# KiCad board Lime_RFE.kicad_pcb
title: LMS8001_SPBoard; rev: 1v0; company: Lime Microsystems
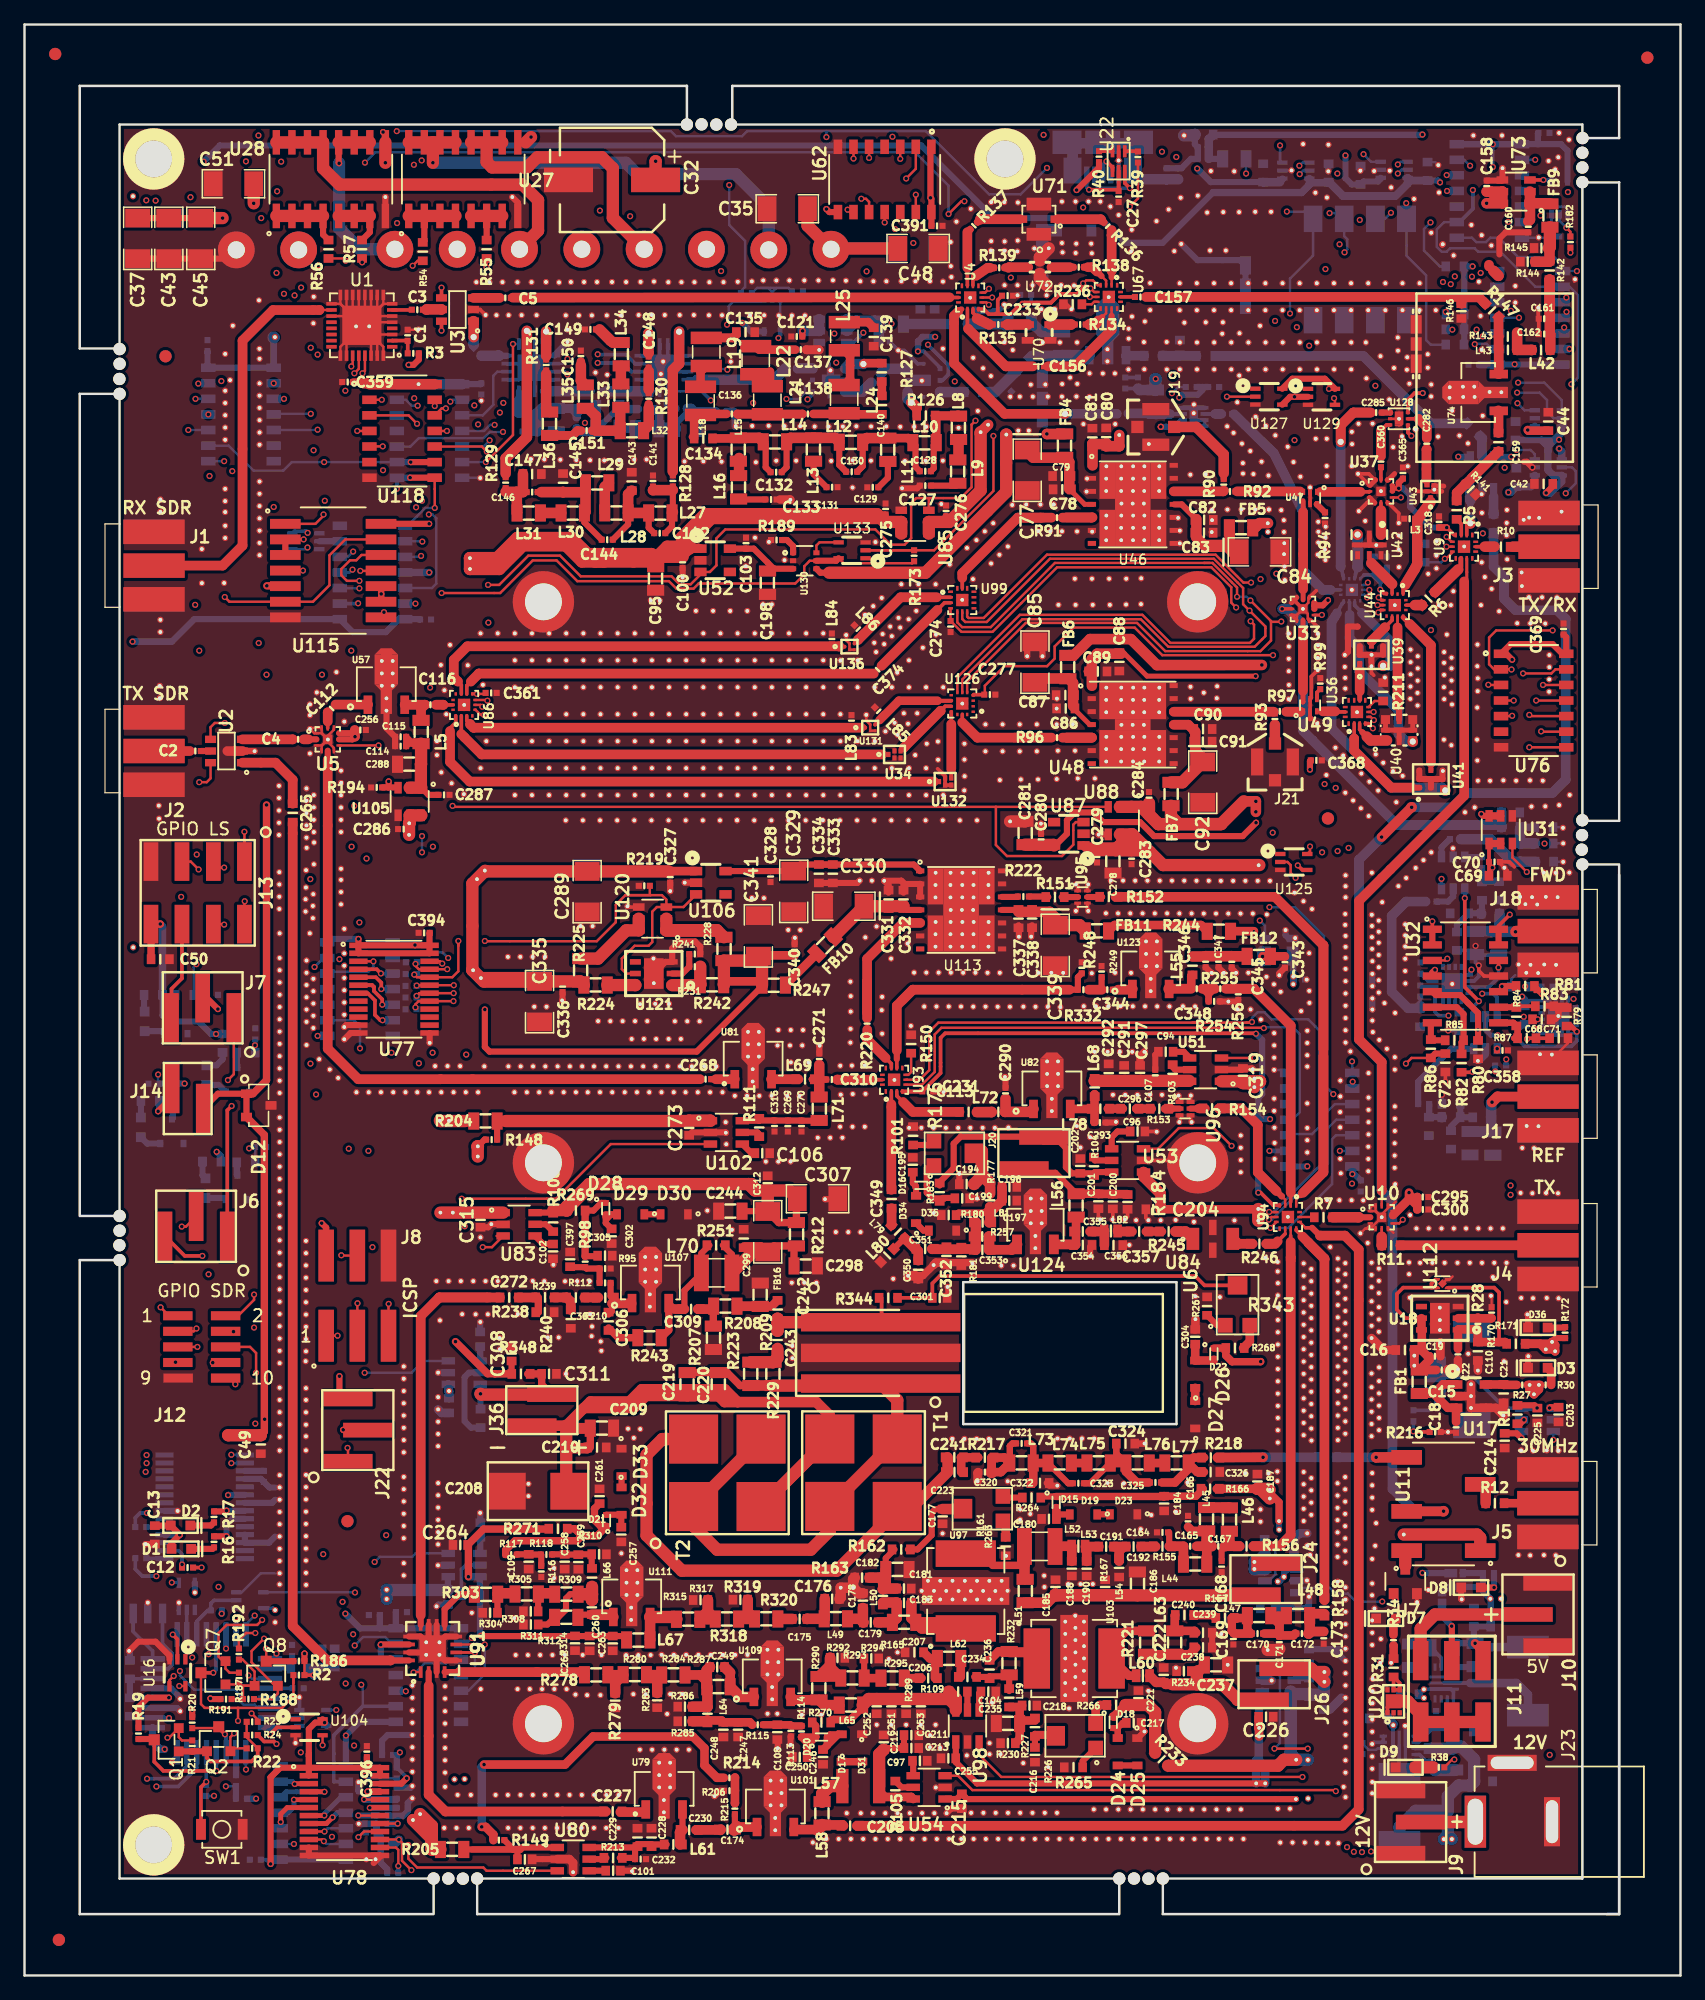
[diagram p0: board, top side]
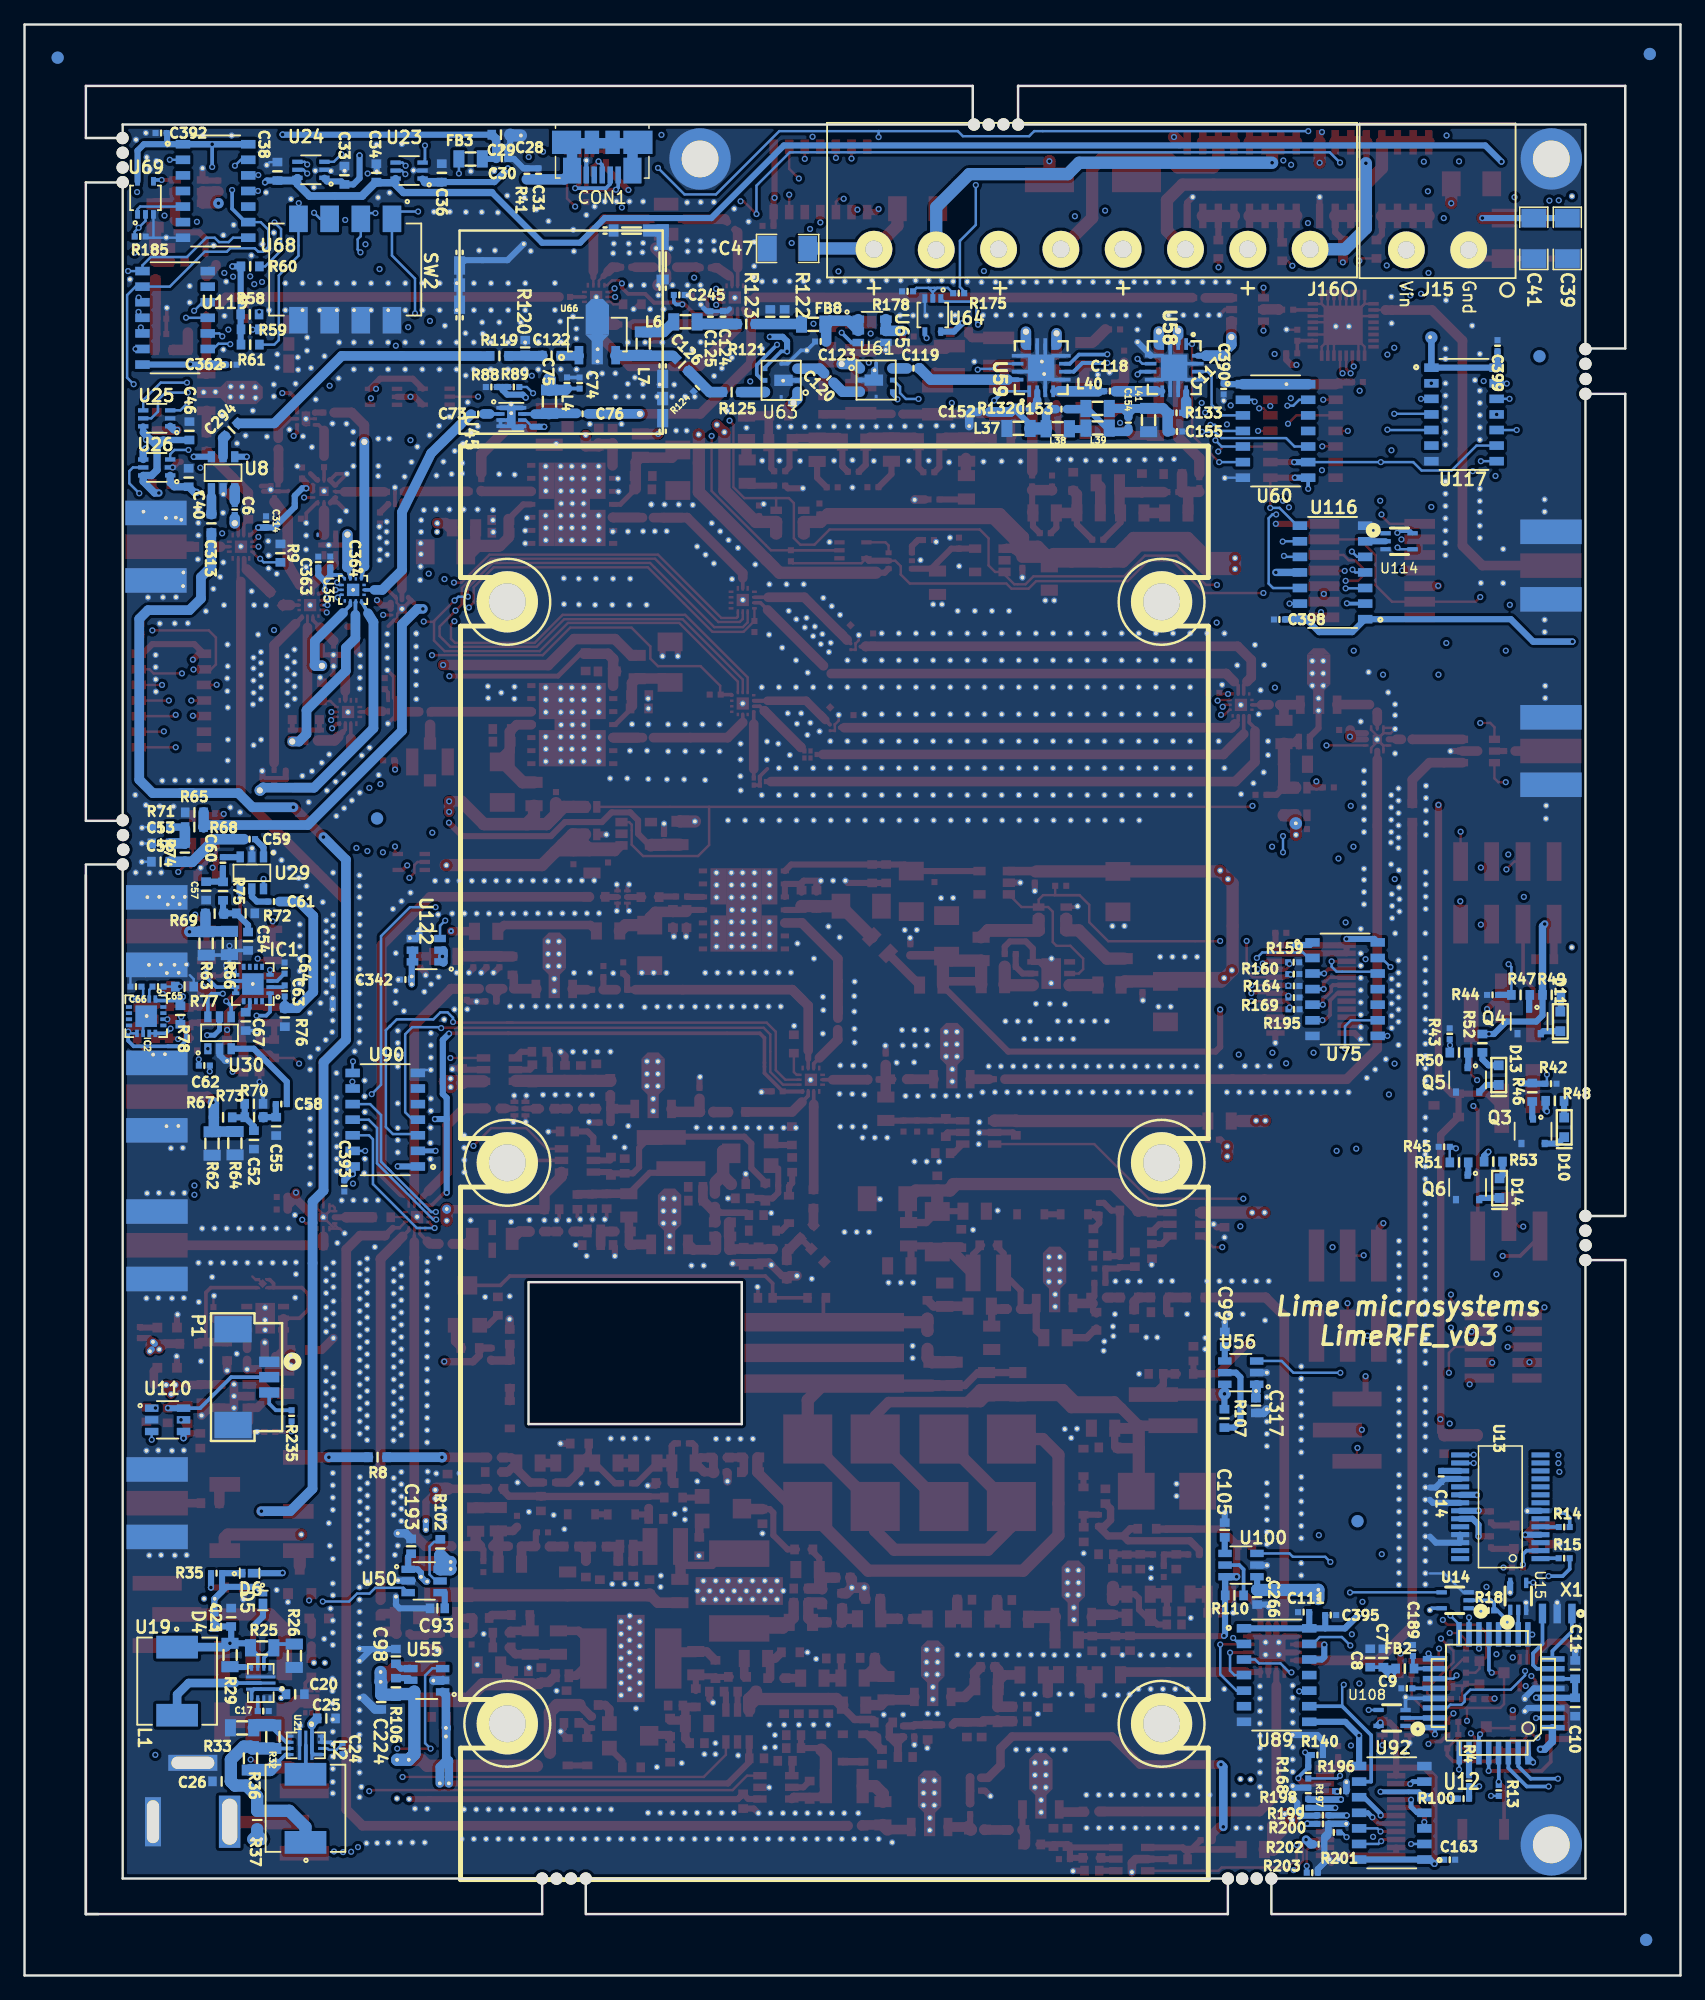
[diagram p1: board, bottom side, seen from below]

Outline 135 x 159 mm; copper layers: T, GND, SIG1, SIG2, PWR, B. Coordinates in mm from the lower left corner of the outline.
Outline path: 54,154 4.5,154 4.5,132.6 7.8,132.6 ; 54,154 54,153.9 ; 54,154 54,150.8 ; 7.7,128.9 4.5,128.9 4.5,61.9 ; 4.55,61.9 7.75,61.9 ; 7.7,61.7 7.7,61.8 ; 7.75,132.3 7.75,150.85 54.1,150.85 ; 7.75,129.05 7.75,61.7 ; 7.75,58.4 7.75,7.9 33.5,7.9 ; 7.8,58.3 4.5,58.3 4.5,5 33.3,5 ; 33.35,8 33.35,5 ; 36.7,7.9 89.4,7.9 ; 36.9,7.9 36.9,5 89.2,5 ; 57.4,150.8 57.4,150.9 57.4,150.85 127,150.85 127,149.7 ; 57.7,150.9 57.7,154 130,154 130,149.75 127,149.75 ; 76.53,56.5 93.91,56.5 93.91,44.94 76.53,44.94 ; 76.53,44.94 76.53,56.5 ; 89.25,5 89.25,7.9 ; 92.7,7.9 127,7.9 127,90.75 126.95,90.75 ; 92.8,7.9 92.8,5 130,5 ; 127,146.13 130,146.13 ; 127,94 127,146.45 ; 127,90.55 130,90.55 ; 129,5 130,5 ; 130,5 130,90.5 ; 130,5 130,89.7 ; 130,94.1 127,94.1 ; 130,146.13 130,94.1 ; 0,159 135,159 135,0 0,0 0,159

## Placement (name value [footprint] x y rotation side)
BreakHole  VAL**  [BreakHole]  7.75 128.9 90 top
BreakHole#2  VAL**  [BreakHole]  7.73 130.11 90 top
BreakHole#3  VAL**  [BreakHole]  7.75 132.55 90 top
BreakHole#4  VAL**  [BreakHole]  7.75 131.35 90 top
BreakHole#5  VAL**  [BreakHole]  7.75 58.3 90 top
BreakHole#6  VAL**  [BreakHole]  7.73 59.51 90 top
BreakHole#7  VAL**  [BreakHole]  7.75 61.9 90 top
BreakHole#8  VAL**  [BreakHole]  7.75 60.7 90 top
BreakHole#9  VAL**  [BreakHole]  92.8 7.9 180 top
BreakHole#10  VAL**  [BreakHole]  91.63 7.89 180 top
BreakHole#11  VAL**  [BreakHole]  89.25 7.9 180 top
BreakHole#12  VAL**  [BreakHole]  90.45 7.9 180 top
BreakHole#13  VAL**  [BreakHole]  36.9 7.9 180 top
BreakHole#14  VAL**  [BreakHole]  35.74 7.89 180 top
BreakHole#15  VAL**  [BreakHole]  33.35 7.9 180 top
BreakHole#16  VAL**  [BreakHole]  34.55 7.9 180 top
BreakHole#17  VAL**  [BreakHole]  126.97 92.94 90 top
BreakHole#18  VAL**  [BreakHole]  127 94.15 90 top
BreakHole#19  VAL**  [BreakHole]  126.95 91.75 90 top
BreakHole#20  VAL**  [BreakHole]  127 90.55 90 top
BreakHole#21  VAL**  [BreakHole]  127 148.55 90 top
BreakHole#22  VAL**  [BreakHole]  127.01 149.75 90 top
BreakHole#23  VAL**  [BreakHole]  127 147.35 90 top
BreakHole#24  VAL**  [BreakHole]  127 146.15 90 top
BreakHole#25  VAL**  [BreakHole]  57.6 150.85 180 top
BreakHole#26  VAL**  [BreakHole]  56.4 150.85 180 top
BreakHole#27  VAL**  [BreakHole]  54 150.85 180 top
BreakHole#28  VAL**  [BreakHole]  55.19 150.87 180 top
C1  GCM155R71H473KE02D  [SMD0402]  31.23 133.68 90 top
C2  GCM155R71H473KE02D  [SMD0402]  13.92 99.79 180 top
C3  GCM155R71H473KE02D  [SMD0402]  32.02 135.76 180 top
C4  GCM155R71H473KE02D  [SMD0402]  22.31 100.74 180 top
C5  GCM155R71H473KE02D  [SMD0402]  39.19 136.72 180 top
C6  GCM155R71H473KE02D  [SMD0402]  117.86 119.47 90 bottom
C7  1UF_0603  [SMD0603]  24.22 25.87 90 bottom
C8  4.7UF_0603  [SMD0603]  25.29 25.88 90 bottom
C9  100NF_0402  [SMD0402]  22.31 23.4 180 bottom
C10  1UF_0603  [SMD0603]  8.59 21.88 270 bottom
C11  1UF_0603  [SMD0603]  8.59 24.93 90 bottom
C12  100NF_0402  [SMD0402]  13.29 33.24 180 top
C13  1UF_0603  [SMD0603]  10.62 35.91 270 top
C14  100NF_0402  [SMD0402]  19.51 40.67 270 bottom
C15  1uF_0402  [SMD0402]  115.54 49.35 0 top
C16  10uF_0603_GRM188R61E106KA73J  [SMD0603]  112.54 50.97 180 top
C17  2.2nF_0402  [SMD0402]  115.54 21.55 180 bottom
C18  1uF_0402  [SMD0402]  116.71 44.67 270 top
C19  0.1uF_0402_Murata  [SMD0402]  114.98 50.47 0 top
C20  10uF_0603_GRM188R61E106KA73J  [SMD0603]  112.93 22.92 0 bottom
C21  10uF_0603_GRM188R61E106KA73J  [SMD0603]  120.58 47.43 90 top
C22  0.1uF_0402_Murata  [SMD0402]  116.86 50.62 270 top
C23  10uF_0603_GRM188R61E106KA73J  [SMD0603]  118.15 29.19 270 bottom
C24  2.2nF_0402  [SMD0402]  109.08 18.49 270 bottom
C25  10uF_0603_GRM188R61E106KA73J  [SMD0603]  110.39 20.95 0 bottom
C26  10uF_0603_GRM188R61E106KA73J  [SMD0603]  118.93 15.82 180 bottom
C27  100NF_0402  [SMD0402]  89.2 144.98 270 top
C28  100NF_0402  [SMD0402]  96.09 149 180 bottom
C29  10uF_0603_GRM188R61E106KA73J  [SMD0603]  96.16 150.02 180 bottom
C30  1UF_0402  [SMD0402]  96.09 148.05 180 bottom
C31  3.9NF_0402  [SMD0402]  93.1 146.83 90 bottom
C32  100uF_25V_Electrolytic_Panasonic  [EEE-HC1E101P]  47.9 146.34 90 top
C33  1uF_0603  [SMD0603]  108.92 146.72 90 bottom
C34  1uF_0603  [SMD0603]  106.32 146.91 90 bottom
C35  C1206C104K5RAC7800  [SMD1206]  62.18 143.99 180 top
C36  1uF_0603  [SMD0603]  100.98 146.91 90 bottom
C37  C1206C104K5RAC7800  [SMD1206]  9.23 141.57 270 top
C38  1uF_0603  [SMD0603]  114.38 147.04 90 bottom
C39  C1206C104K5RAC7800  [SMD1206]  9.23 141.57 270 bottom
C40  1uF_0603  [SMD0603]  121.62 122.08 90 bottom
C41  C1206C104K5RAC7800  [SMD1206]  11.96 141.57 270 bottom
C42  1uF_0603  [SMD0603]  123.84 121.56 180 top
C43  C1206C104K5RAC7800  [SMD1206]  11.77 141.57 270 top
C44  1uF_0603  [SMD0603]  124.22 126.65 90 top
C45  C1206C104K5RAC7800  [SMD1206]  14.37 141.57 270 top
C46  1uF_0603  [SMD0603]  121.56 125.89 90 bottom
C47  C1206C104K5RAC7800  [SMD1206]  72.79 140.75 0 bottom
C48  C1206C104K5RAC7800  [SMD1206]  72.85 140.75 0 top
C49  1uF_0603  [SMD0603]  19.26 43.28 270 top
C50  1uF_0603  [SMD0603]  11.07 82.82 0 top
C51  C1206C104K5RAC7800  [SMD1206]  17.04 146.02 180 top
C52  NF_0603  [SMD0603]  116.3 68.1 270 bottom
C53  NF_0603  [SMD0603]  123.88 92.26 0 bottom
C54  NF_0603  [SMD0603]  116.78 84.29 270 bottom
C55  NF_0603  [SMD0603]  114.49 69.2 270 bottom
C56  NF_0603  [SMD0603]  123.9 90.77 0 bottom
C57  NF_0603  [SMD0603]  120.2 88.4 270 bottom
C58  1uF_0402_Murata  [SMD0402]  114.07 71.02 180 bottom
C59  47nF_0402_Murata  [SMD0402]  116.66 92.61 180 bottom
C60  1uF_0402_Murata  [SMD0402]  118.83 90.69 90 bottom
C61  47nF_0402_Murata  [SMD0402]  114.67 87.52 180 bottom
C62  47nF_0402_Murata  [SMD0402]  120.34 74.16 180 bottom
C63  47nF_0402_Murata  [SMD0402]  113.79 80.24 90 bottom
C64  47nF_0402_Murata  [SMD0402]  113.8 82.1 270 bottom
C65  47nF_0402_Murata  [SMD0402]  124.12 80.59 0 bottom
C66  47nF_0402_Murata  [SMD0402]  125.92 80.59 180 bottom
C67  1nF_0603_Murata  [SMD0603]  116.97 77.76 90 bottom
C68  1nF_0603_Murata  [SMD0603]  123.69 77.93 180 top
C69  10uF_0603_GRM188R61E106KA73J  [SMD0603]  120.14 89.62 0 top
C70  0.1uF_0402_Murata  [SMD0402]  119.84 90.75 0 top
C71  NF_0603  [SMD0603]  125.08 76.39 0 top
C72  NF_0603  [SMD0603]  115.84 74.38 270 top
C73  0.1uF_0402_Murata  [SMD0402]  98.01 127.26 180 bottom
C74  1uF_0402_Murata  [SMD0402]  89.74 129.78 90 bottom
C75  0.1uF_0402_Murata  [SMD0402]  90.77 129.79 90 bottom
C76  0.1uF_0402_Murata  [SMD0402]  89.5 127.27 180 bottom
C77  10uF_1206_Tantalum_Kemet  [SMD1206_TANTAL]  81.74 122.67 270 top
C78  0.1uF_0603_Murata  [SMD0603]  84.6 121.11 180 top
C79  1nF_0603_Murata_GCJ  [SMD0603]  84.56 122.2 180 top
C80  0.01uF_0603_Murata  [SMD0603]  88.18 125.37 90 top
C81  100pF_0603_Murata_GCM  [SMD0603]  87.05 125.35 90 top
C82  1nF_0603_Murata_GCJ  [SMD0603]  96.16 118.62 0 top
C83  0.1uF_0603_Murata  [SMD0603]  96.15 117.58 0 top
C84  10uF_1206_Tantalum_Kemet  [SMD1206_TANTAL]  100.68 116.02 0 top
C85  10uF_1206_Tantalum_Kemet  [SMD1206_TANTAL]  82.37 107.03 90 top
C86  0.1uF_0603_Murata  [SMD0603]  84.88 103.26 180 top
C87  1nF_0603_Murata_GCJ  [SMD0603]  84.85 104.34 180 top
C88  0.01uF_0603_Murata  [SMD0603]  89.25 107.06 270 top
C89  100pF_0603_Murata_GCM  [SMD0603]  87.5 106.28 0 top
C90  1nF_0603_Murata_GCJ  [SMD0603]  96.07 101.58 0 top
C91  0.1uF_0603_Murata  [SMD0603]  96.06 100.55 0 top
C92  10uF_1206_Tantalum_Kemet  [SMD1206_TANTAL]  96.05 97.25 270 top
C93  1nF_0603  [SMD0603_gap05]  101.34 29.92 0 bottom
C94  1nF_0603  [SMD0603_gap05]  93.04 75.28 180 top
C95  10uF_0805_25V_Taiyo  [SMD0805]  51.45 113.85 270 top
C96  1nF_0603  [SMD0603_gap05]  90.74 68.79 0 top
C97  1nF_0603  [SMD0603_gap05]  72.99 17.49 0 top
C98  1nF_0603  [SMD0603_gap05]  104.72 26 90 bottom
C99  1nF_0603  [SMD0603_gap05]  37.15 51.85 90 bottom
C100  0.1uF_0402_Murata  [SMD0402]  53.65 115.17 270 top
C101  1nF_0603  [SMD0603_gap05]  47.98 8.54 0 top
C102  1nF_0603  [SMD0603_gap05]  43.08 59.01 270 top
C103  0.1uF_0402_Murata  [SMD0402]  58.82 116.73 90 top
C104  1nF_0603  [SMD0603_gap05]  78.57 23.13 0 top
C105  1nF_0603  [SMD0603_gap05]  37.16 36.31 90 bottom
C106  1nF_0603  [SMD0603_gap05]  60.14 67.02 0 top
C107  100nF_0402  [SMD0402]  92.18 73.36 90 top
C108  100nF_0603  [SMD0603_gap05]  61.37 19.83 270 top
C109  100nF_0603  [SMD0603_gap05]  41.1 33.72 270 top
C110  10uF_0603_GRM188R61E106KA73J  [SMD0603]  118.48 50.87 270 top
C111  100nF_0402  [SMD0402]  30.73 29.61 180 bottom
C112  1000pF_0402_Murata  [SMD0402]  25.04 103.26 45 top
C113  100pF_0402_GCM1555C1H101JA16D  [SMD0402]  73.64 72.06 0 top
C114  1000pF_0402_Murata  [SMD0402]  30.66 100.19 180 top
C115  100pF_0402_Murata  [SMD0402]  30.66 100.95 180 top
C116  1000pF_0402_Murata  [SMD0402]  33.09 103.56 0 top
C117  GCM155R71H473KE02D  [SMD0402]  36.93 132.33 135 bottom
C118  1u_0402  [SMD0402]  46.52 129.12 0 bottom
C119  1u_0402  [SMD0402]  62.53 130.98 0 bottom
C120  0R_0402_Yageo  [SMD0402]  69.42 130.19 225 bottom
C121  100nF_0402  [SMD0402]  62.96 133.57 180 top
C122  1u_0402  [SMD0603]  92.03 132 0 bottom
C123  100nF_0402  [SMD0402]  70.1 133.17 0 bottom
C124  1u_0402  [SMD0402]  78.05 135.19 270 bottom
C125  0.1uF_0402  [SMD0402]  79.08 135.18 270 bottom
C126  1u_0402  [SMD0603]  81.39 131.28 45 bottom
C127  15pF_0402_GJM1555C1H150FB01D  [SMD0402]  73.44 121.42 180 top
C128  56pF_0402_GRM1555C1H560GA01D  [SMD0402]  73.43 122.59 0 top
C129  27pF_0402_04025U270GAT2A  [SMD0402]  69.15 121.28 180 top
C130  51pF_0402_GRM1555C1H510JA01D  [SMD0402]  67.43 122.55 0 top
C131  27pF_0402_04025U270GAT2A  [SMD0402]  65.83 121.29 0 top
C132  56pF_0402_GRM1555C1H560GA01D  [SMD0402]  61.27 122.51 0 top
C133  15pF_0402_GJM1555C1H150FB01D  [SMD0402]  60.85 120.29 0 top
C134  2200pF_0603_GRM1885C1H222GA01D  [SMD0603]  55.34 125.27 0 top
C135  4700pF_0603_GRM1887U1H472JA01D  [SMD0603]  58.78 133.93 0 top
C136  1000pF_0402_GRM1555C1H102GA01D  [SMD0402]  57.66 127.26 180 top
C137  3300pF_0402_GRM155R71H332JA01D  [SMD0402]  63.28 132.5 0 top
C138  1000pF_0402_GRM1555C1H102GA01D  [SMD0402]  63.86 127.26 180 top
C139  15000pF_0603_06035C153KAT2A  [SMD0603]  69.23 133.54 270 top
C140  1500pF_0603_GRM1885C1H152JA01D  [SMD0603]  69.89 127.99 270 top
C141  91pF_0402_GRM1555C1H910GA01D  [SMD0402]  51.23 121.79 90 top
C142  18pF_0402_GJM1555C1H180GB01D  [SMD0402]  51.78 117.55 0 top
C143  180pF_0603_06035A181GAT2A  [SMD0603]  49.5 121.76 90 top
C144  27pF_0402_04025U270GAT2A  [SMD0402]  47.5 117.01 0 top
C145  180pF_0603  [SMD0603]  43.9 121.65 90 top
C146  6pF_0402_GCM1555C1H6R0FA16D  [SMD0402]  41.38 120.89 0 top
C147  100pF_0603_06035A101GAT2A  [SMD0603]  41.38 122.36 0 top
C148  3.6pF_0402_GJM1555C1H3R6WB01D  [SMD0402]  50.88 128.5 90 top
C149  43pF_0402_GRM1555C1H430GA01D  [SMD0402]  46.13 134.15 180 top
C150  22pF_0402_GCM1555C1H220GA16D  [SMD0402]  45.35 131.97 90 top
C151  3.6pF_0402_GJM1555C1H3R6WB01D  [SMD0402]  45.82 125.9 0 top
C152  33pF_0402_GRM1555C1H330GA01J  [SMD0402]  56.79 127.43 0 bottom
C153  6.2pF_0402_GRM1555C1H6R2CA01D  [SMD0402]  50.46 127.66 0 bottom
C154  3pF_0402_GJM1555C1H3R0BB01D  [SMD0402]  45.01 126.55 270 bottom
C155  33pF_0402_GRM1555C1H330GA01J  [SMD0402]  41.05 125.83 180 bottom
C156  1000pF_0402  [SMD0402]  82.65 131.14 0 top
C157  1000pF_0402  [SMD0402]  90.98 136.8 0 top
C158  100nF_0402  [SMD0402]  119.2 145.83 90 top
C159  1000pF_0402  [SMD0603]  120.16 124.96 270 top
C160  100nF_0402  [SMD0402]  122.59 142.51 270 top
C161  0.1uF_0402  [SMD0402]  123.89 135.02 0 top
C162  30pF_0402  [SMD0402]  123.89 133.77 0 top
C163  100nF_0402  [SMD0402]  18.81 9.43 0 bottom
C164  7pF_0402_GJM1555C1H7R0WB01D  [SMD0402]  92.77 36.11 180 top
C165  12pF_0402_GCQ1555C1H120GB01D  [SMD0402]  95.02 34.98 180 top
C166  20pF_0402_GJM1555C1H200FB01D  [SMD0402]  94.85 37.01 90 top
C167  3.6pF_0402_GJM1555C1H3R6WB01D  [SMD0402]  97.32 34.98 180 top
C168  12pF_0402_GCQ1555C1H120GB01D  [SMD0402]  97.59 33.32 270 top
C169  3pF_0402_GJM1555C1H3R0BB01D  [SMD0402]  98.55 27.42 270 top
C170  4.7pF_0402_GJM1555C1H4R7CB01D  [SMD0402]  100.52 27.86 180 top
C171  8pF_0402_GCM1555C1H8R0BA16D  [SMD0402]  102.3 27.17 270 top
C172  1.5pF_0402_GJM1555C1H1R5CB01D  [SMD0402]  104.14 27.86 180 top
C173  4.7pF_0402_GJM1555C1H4R7CB01D  [SMD0402]  105.92 27.48 270 top
C174  100pF_0603_GRM1885C1H101JA01J  [SMD0603]  57.31 11.89 180 top
C175  82pF_0603  [SMD0603_gap05]  63.19 29.06 180 top
C176  15pF_0603  [SMD0603_gap05]  65.84 30.69 0 top
C177  100nF_0603  [SMD0603_gap05]  74.84 37.41 90 top
C178  10pF_0603  [SMD0603_gap05]  68.34 30.55 90 top
C179  27pF_0603  [SMD0603_gap05]  68.99 28.78 180 top
C180  100nF_0603  [SMD0603_gap05]  83.52 37.21 180 top
C181  100pF_0603  [SMD0603_gap05]  71.69 31.53 0 top
C182  470nF_0805  [SMD0805]  71.16 33.08 180 top
C183  47pF_0603  [SMD0603_gap05]  71.7 30.37 180 top
C184  100nF_0603  [SMD0603_gap05]  92.9 38.46 270 top
C185  100pF_0603  [SMD0603_gap05]  84.05 31.66 270 top
C186  470nF_0805  [SMD0805]  90.72 31.93 90 top
C187  1nF_0603  [SMD0603_gap05]  100.51 40.26 90 top
C188  68pF_0603  [SMD0603_gap05]  85.38 33.16 270 top
C189  100NF_0402  [SMD0402]  21.81 26.49 270 bottom
C190  39pF_0603  [SMD0603_gap05]  86.59 33.15 270 top
C191  68pF_0603  [SMD0603_gap05]  88.18 34.95 180 top
C192  1500pF_0603  [SMD0603_gap05]  90.41 34.95 180 top
C193  1uF_0603  [SMD0603_gap05]  103.48 34.97 270 bottom
C194  100nF_0603  [SMD0603_gap05]  76.81 64.5 0 top
C195  100nF_0603  [SMD0603_gap05]  72.42 66.07 90 top
C196  100pF_0603  [SMD0603_gap05]  80.29 64.27 0 top
C197  27pF_0603  [SMD0603_gap05]  80.28 63.15 0 top
C198  10uF_0805_25V_Taiyo  [SMD0805]  60.57 113.51 270 top
C199  100nF_0603  [SMD0603_gap05]  76.44 63.34 0 top
C200  100pF_0603  [SMD0603_gap05]  88.72 63.07 90 top
C201  27pF_0603  [SMD0603_gap05]  87.54 63.1 90 top
C202  1nF_0603  [SMD0603_gap05]  86.07 65.97 90 top
C203  1uF_0603  [SMD0603_gap05]  125.06 45.72 90 top
C204  1uF_0603  [SMD0603_gap05]  92.01 62.44 0 top
C205  100pF_0603_GRM1885C1H101JA01J  [SMD0603]  67.31 12.2 180 top
C206  15pF_0603_KEMET  [SMD0603]  73.67 24.23 180 top
C207  15pF_0603_KEMET  [SMD0603]  72.55 26.34 180 top
C208  100uF_25V_Tantalum_AVX  [TAJE107M025SNJV]  41.86 39.47 180 top
C209  1uF_0805  [SMD0805]  47.07 44.6 180 top
C210  100nF_0603  [SMD0603]  46.67 43.03 180 top
C211  100pF_0603  [SMD0603_gap05]  72.3 19.58 180 top
C212  27pF_0603  [SMD0603_gap05]  70.05 19.01 270 top
C213  1nF_0603  [SMD0603_gap05]  72.3 18.53 0 top
C214  1nF_0603  [SMD0603_gap05]  120.67 43.58 270 top
C215  1uF_0603  [SMD0603_gap05]  76.42 14.2 90 top
C216  100nF_0603  [SMD0603_gap05]  82.37 17.98 90 top
C217  100nF_0603  [SMD0603_gap05]  90.42 20.58 0 top
C218  100pF_0603  [SMD0603_gap05]  81.93 22 0 top
C219  91pF_0805  [SMD0805]  54.02 48.18 270 top
C220  91pF_0805  [SMD0805]  56.57 48.18 270 top
C221  100nF_0603  [SMD0603_gap05]  90.81 22.61 90 top
C222  100pF_0603  [SMD0603_gap05]  92.87 24.49 270 top
C223  100nF_0603  [SMD0603]  75.81 41.02 180 top
C224  1nF_0603  [SMD0603_gap05]  105.92 22.28 270 bottom
C225  1nF_0603  [SMD0603_gap05]  123.33 45.64 270 top
C226  1uF_0603  [SMD0603_gap05]  101.21 21.08 180 top
C227  100pF_0603_GRM1885C1H101JA01J  [SMD0603]  47.95 13.36 180 top
C228  1nF_0603  [SMD0603]  51.12 11.25 90 top
C229  100pF_0603_GRM1885C1H101JA01J  [SMD0603]  49.97 11.25 90 top
C230  100pF_0603_GRM1885C1H101JA01J  [SMD0603]  54.19 11.86 180 top
C231  18pF_0603  [SMD0603]  76.97 70.38 180 top
C232  100nF_0402  [SMD0402]  50.22 9.48 0 top
C233  100pF_0402_GCM1555C1H101JA16D  [SMD0402]  80.14 136.9 0 top
C234  100pF_0603_Murata2  [SMD0603]  76.87 24.33 180 top
C235  470nF_0805  [SMD0805]  80.17 20.53 180 top
C236  47pF_0603_KEMET  [SMD0603]  78.67 24.93 270 top
C237  470nF_0805  [SMD0805]  97.13 25.31 180 top
C238  27pF_0603_KEMET  [SMD0603]  96.07 26.73 0 top
C239  15pF_0603_KEMET  [SMD0603]  96.07 27.93 0 top
C240  15pF_0603_KEMET  [SMD0603]  94.56 29.37 180 top
C241  100nF_0603  [SMD0603]  75.8 42.22 180 top
C242  100nF_0603  [SMD0603]  61.39 54.28 90 top
C243  1500pF_0603  [SMD0603]  61.38 51.79 90 top
C244  1uF_0805  [SMD0805]  57.54 62.29 180 top
C245  100pF_0402_GCM1555C1H101JA16D  [SMD0402]  81.62 136.96 180 bottom
C246  100nF_0603  [SMD0603_gap05]  65.1 17.81 270 top
C247  100pF_0603  [SMD0603_gap05]  58.17 20.03 270 top
C248  27pF_0603  [SMD0603_gap05]  56.97 20.03 270 top
C249  47pF_0603  [SMD0603_gap05]  56.47 25.13 180 top
C250  100nF_0603  [SMD0603_gap05]  63.2 17.8 180 top
C251  100pF_0603  [SMD0603_gap05]  70.67 21.93 90 top
C252  27pF_0603  [SMD0603_gap05]  69.47 21.93 90 top
C253  1nF_0603  [SMD0603_gap05]  73.07 21.93 270 top
C255  1uF_0603  [SMD0603_gap05]  75.32 17.7 0 top
C256  100pF_0402_GCM1555C1H101JA16D  [SMD0402]  27.37 101.51 0 top
C257  100nF_0603  [SMD0603_gap05]  48.65 35.94 270 top
C258  100pF_0603  [SMD0603_gap05]  44.04 33.72 270 top
C259  27pF_0603  [SMD0603_gap05]  45.14 33.7 270 top
C260  47pF_0603  [SMD0603_gap05]  46.25 30 90 top
C261  100nF_0603  [SMD0603_gap05]  46.88 39.06 90 top
C262  100pF_0603  [SMD0603_gap05]  46.07 27.06 90 top
C263  27pF_0603  [SMD0603_gap05]  47.95 27.06 90 top
C264  1nF_0603  [SMD0603_gap05]  35.53 35.09 180 top
C265  100nF_0603  [SMD0603]  21.86 94.75 90 top
C266  1uF_0603  [SMD0603_gap05]  34.51 30.83 90 bottom
C267  1uF_0603  [SMD0603_gap05]  40.78 9.46 180 top
C268  56pF_0402_GCM1555C1H560JA16D  [SMD0402]  55.52 73.05 0 top
C269  56pF_0402_GCM1555C1H560JA16D  [SMD0402]  62.23 69.23 90 top
C270  22pF_0402_CC0402JRNPO9BN220  [SMD0402]  63.34 69.23 90 top
C271  500f_0402_GRM1555C2AR50BA01D  [SMD0402]  64.8 74.69 90 top
C272  100nF_0603  [SMD0603]  39.52 55.25 180 top
C273  1uF_0603  [SMD0603_gap05]  54.18 69.07 90 top
C274  100pF_0402_GCM1555C1H101JA16D  [SMD0402]  75.49 109.94 270 top
C275  0.1uF_0402_Murata  [SMD0402]  70.2 119.52 90 top
C276  0.1uF_0402_Murata  [SMD0402]  75.13 119.35 90 top
C277  100pF_0402_GCM1555C1H101JA16D  [SMD0402]  78.69 104.39 0 top
C278  10uF_0805_25V_Taiyo  [SMD0805]  88.74 90.8 270 top
C279  0.1uF_0402_Murata  [SMD0402]  87.43 91.16 270 top
C280  0.1uF_0402_Murata  [SMD0402]  82.87 92.59 90 top
C281  10uF_0805_25V_Taiyo  [SMD0805]  81.56 93.11 90 top
C282  1000pF_0402_Murata  [SMD0402]  114.32 124.84 90 top
C283  0.1uF_0402_Murata  [SMD0402]  90.25 91.02 270 top
C284  0.1uF_0402_Murata  [SMD0402]  91.67 95.99 90 top
C285  1000pF_0402_Murata  [SMD0402]  110.19 127.38 180 top